# KiCad board distribution.kicad_pcb
title: LGP-21 Mini - Distribution; date: 2026-06-28; rev: A; company: © 2026 Sam Hanes, licensed CERN-OHL-W v2; note: https://github.com/Elemecca/lgp21-mini
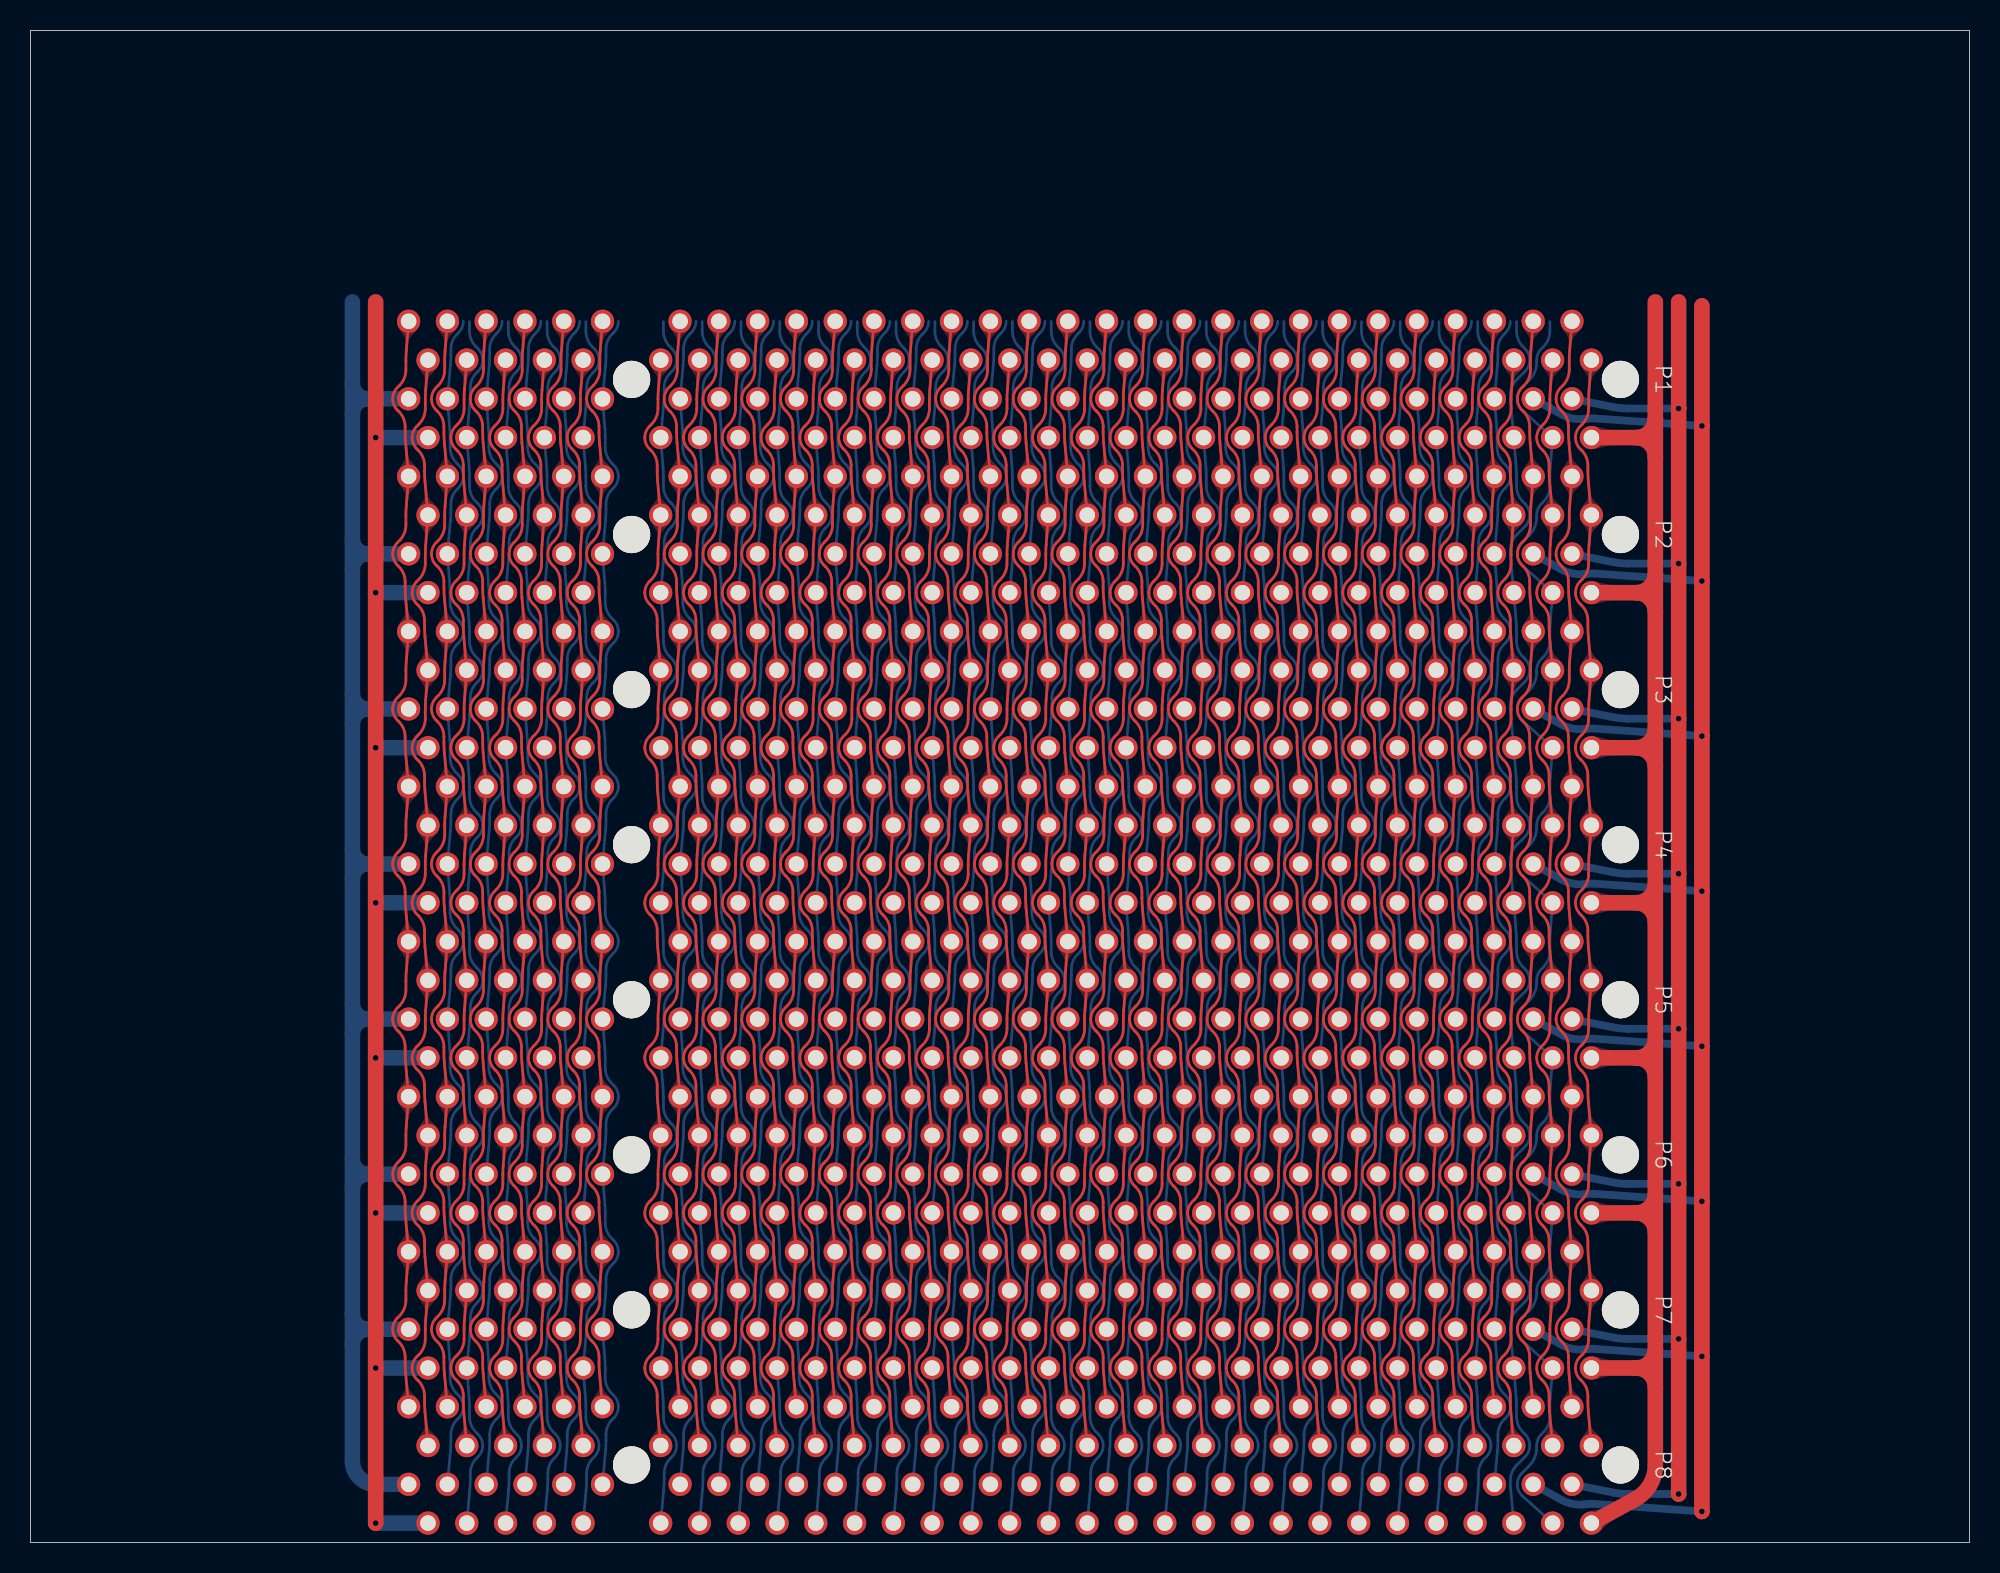
[diagram p0: board, top side]
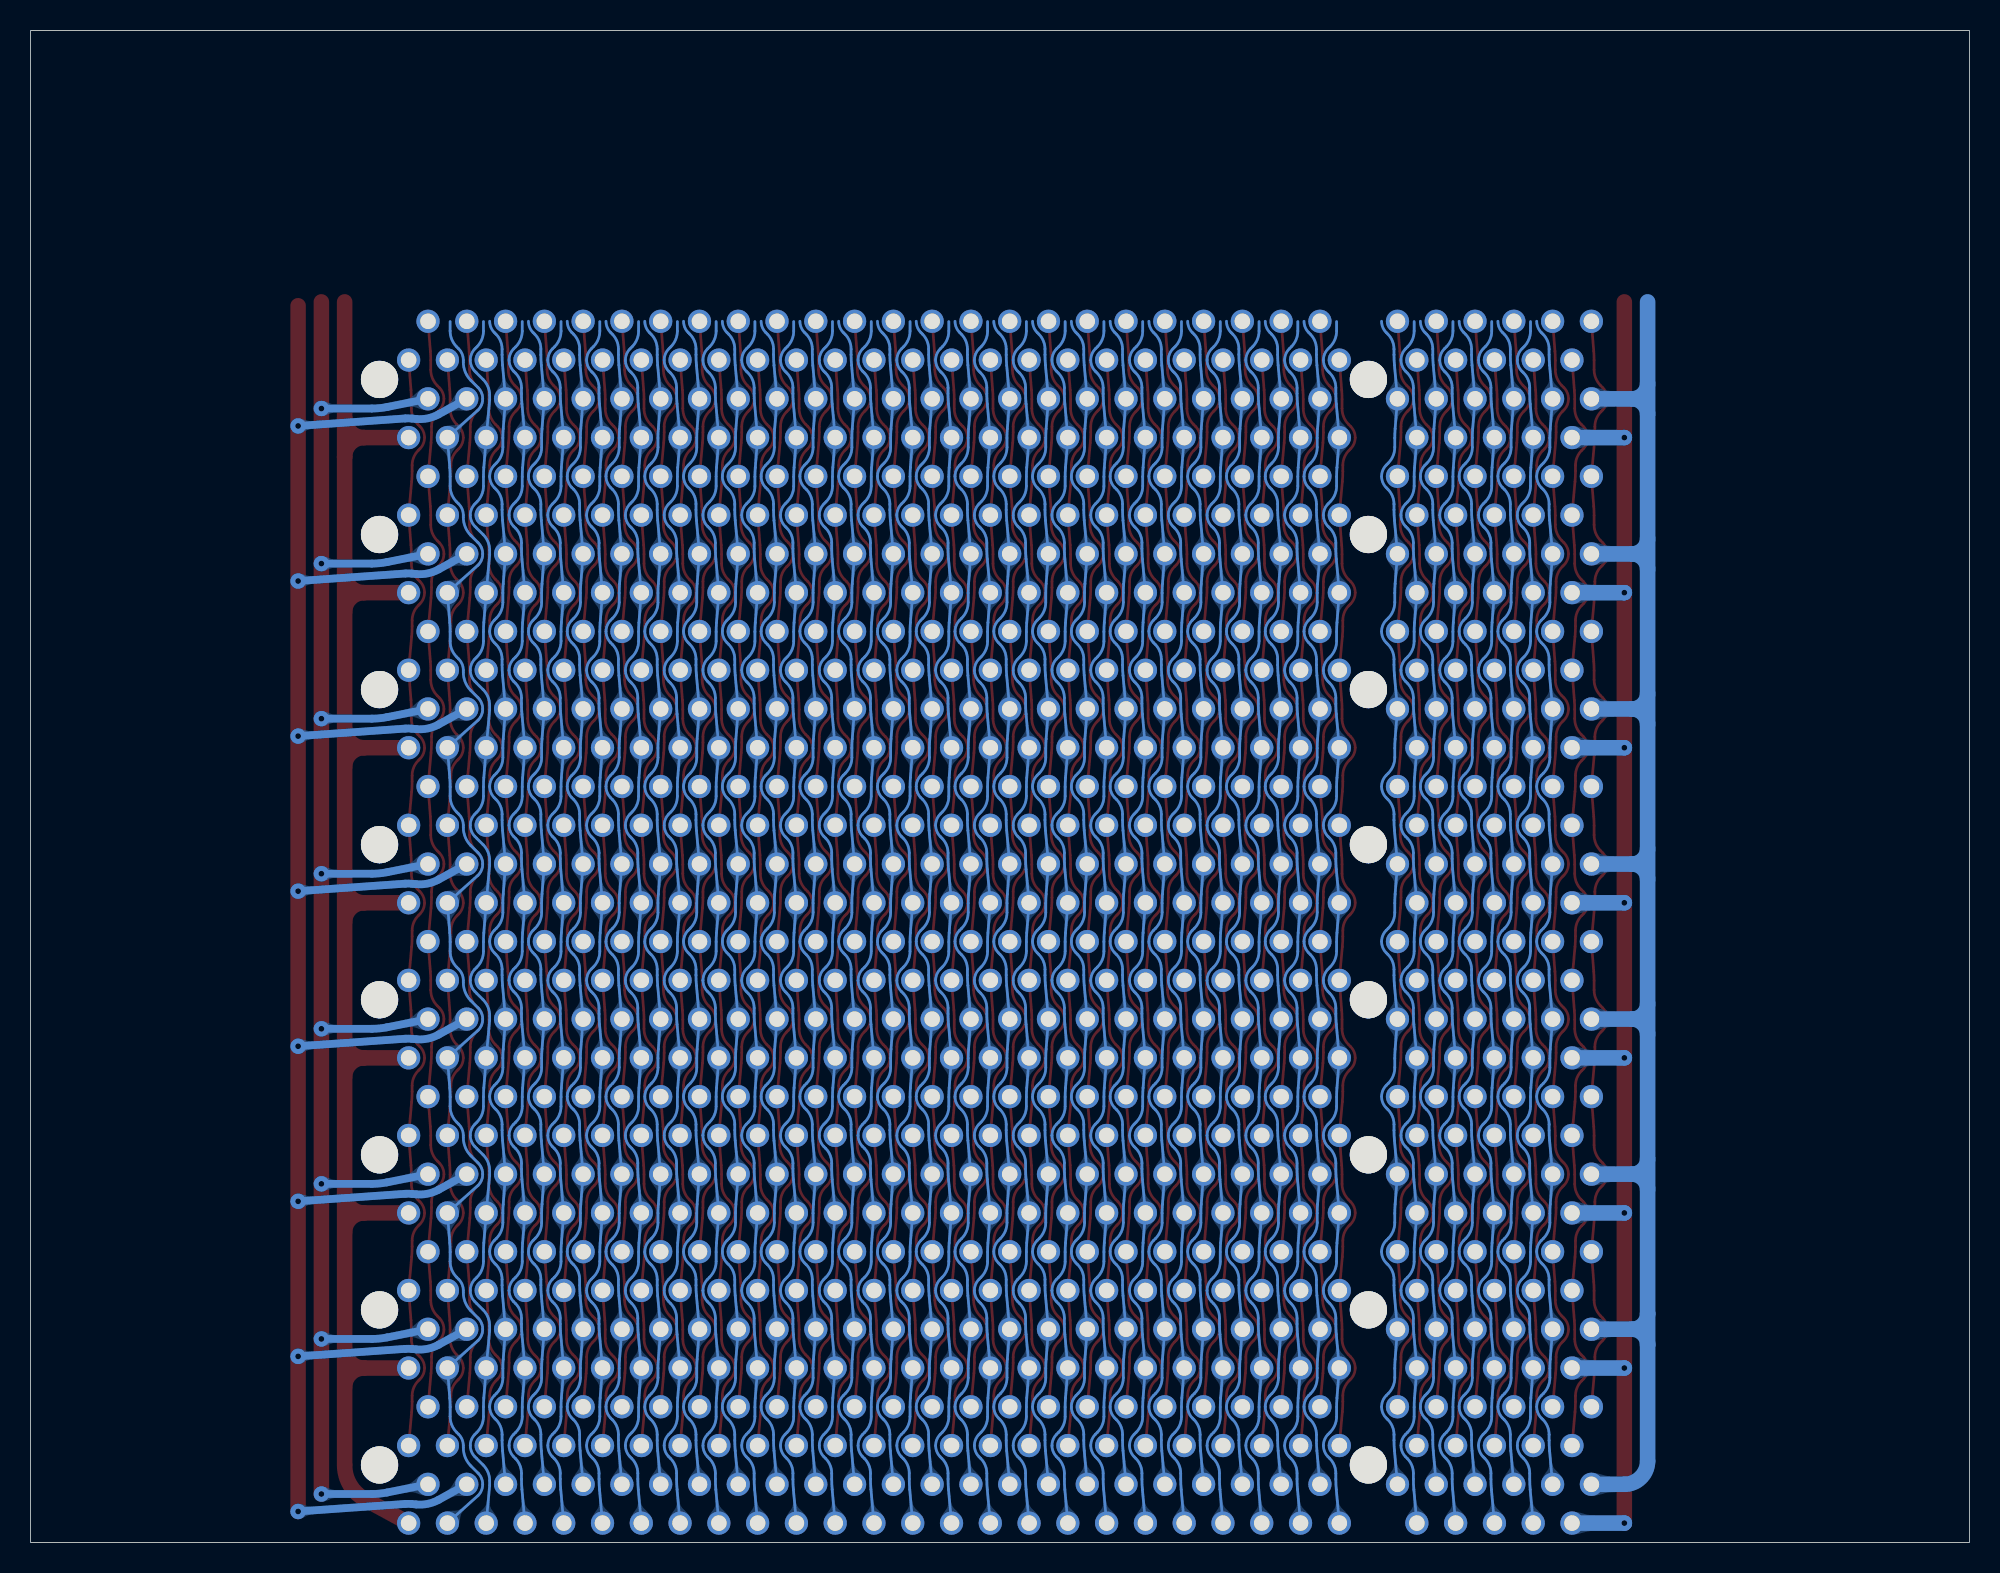
[diagram p1: board, bottom side, seen from below]

Outline 127 x 99.06 mm; copper layers: Top, Bottom. Coordinates in mm from the lower left corner of the outline.
Outline path: rectangle 0,99.06 127,0
Stack: Top 0.035mm / dielectric 1.51mm FR4 er 4.5 / Bottom 0.035mm

## Placement (name value [footprint] x y rotation side)
P1  EH06003-DAW  [Socket_PCI_5V_32bit]  63.5 76.2 180 top
P2  EH06003-DAW  [Socket_PCI_5V_32bit]  63.5 66.04 180 top
P3  EH06003-DAW  [Socket_PCI_5V_32bit]  63.5 55.88 180 top
P4  EH06003-DAW  [Socket_PCI_5V_32bit]  63.5 45.72 180 top
P5  EH06003-DAW  [Socket_PCI_5V_32bit]  63.5 35.56 180 top
P6  EH06003-DAW  [Socket_PCI_5V_32bit]  63.5 25.4 180 top
P7  EH06003-DAW  [Socket_PCI_5V_32bit]  63.5 15.24 180 top
P8  EH06003-DAW  [Socket_PCI_5V_32bit]  63.5 5.08 180 top

## Library data of the parts
P1-P8 = -: Description: "Generic connector, double row, 02x60, row letter first pin numbering scheme (pin number consists of a letter for the row and a number for the pin index in this row. a1, ..., aN; b1, ..., bN), script generated"; ki_fp_filters: Connector*:*_2x??_*

## Footprints (pads in the part's own frame, mm; a bottom-side part is the same pattern mirrored in y, then rotated)
Socket_PCI_5V_32bit
  round 2.438 hole 2.438 unplated: (-40.64,0) (24.13,0)
  round 1.524 hole 1.016: A1(-38.735,3.81) A2(-37.465,1.27) A3(-36.195,3.81) A4(-34.925,1.27) A5(-33.655,3.81) A6(-32.385,1.27) A7(-31.115,3.81) A8(-29.845,1.27) A9(-28.575,3.81) A10(-27.305,1.27) A11(-26.035,3.81) A12(-24.765,1.27) A13(-23.495,3.81) A14(-22.225,1.27) A15(-20.955,3.81) A16(-19.685,1.27) A17(-18.415,3.81) A18(-17.145,1.27) A19(-15.875,3.81) A20(-14.605,1.27) A21(-13.335,3.81) A22(-12.065,1.27) A23(-10.795,3.81) A24(-9.525,1.27) A25(-8.255,3.81) A26(-6.985,1.27) A27(-5.715,3.81) A28(-4.445,1.27) A29(-3.175,3.81) A30(-1.905,1.27) A31(-0.635,3.81) A32(0.635,1.27) A33(1.905,3.81) A34(3.175,1.27) A35(4.445,3.81) A36(5.715,1.27) A37(6.985,3.81) A38(8.255,1.27) A39(9.525,3.81) A40(10.795,1.27) A41(12.065,3.81) A42(13.335,1.27) A43(14.605,3.81) A44(15.875,1.27) A45(17.145,3.81) A46(18.415,1.27) A47(19.685,3.81) A48(20.955,1.27) A49(22.225,3.81) A52(26.035,1.27) A53(27.305,3.81) A54(28.575,1.27) A55(29.845,3.81) A56(31.115,1.27) A57(32.385,3.81) A58(33.655,1.27) A59(34.925,3.81) A60(36.195,1.27) A61(37.465,3.81) A62(38.735,1.27) B1(-38.735,-1.27) B2(-37.465,-3.81) B3(-36.195,-1.27) B4(-34.925,-3.81) B5(-33.655,-1.27) B6(-32.385,-3.81) B7(-31.115,-1.27) B8(-29.845,-3.81) B9(-28.575,-1.27) B10(-27.305,-3.81) B11(-26.035,-1.27) B12(-24.765,-3.81) B13(-23.495,-1.27) B14(-22.225,-3.81) B15(-20.955,-1.27) B16(-19.685,-3.81) B17(-18.415,-1.27) B18(-17.145,-3.81) B19(-15.875,-1.27) B20(-14.605,-3.81) B21(-13.335,-1.27) B22(-12.065,-3.81) B23(-10.795,-1.27) B24(-9.525,-3.81) B25(-8.255,-1.27) B26(-6.985,-3.81) B27(-5.715,-1.27) B28(-4.445,-3.81) B29(-3.175,-1.27) B30(-1.905,-3.81) B31(-0.635,-1.27) B32(0.635,-3.81) B33(1.905,-1.27) B34(3.175,-3.81) B35(4.445,-1.27) B36(5.715,-3.81) B37(6.985,-1.27) B38(8.255,-3.81) B39(9.525,-1.27) B40(10.795,-3.81) B41(12.065,-1.27) B42(13.335,-3.81) B43(14.605,-1.27) B44(15.875,-3.81) B45(17.145,-1.27) B46(18.415,-3.81) B47(19.685,-1.27) B48(20.955,-3.81) B49(22.225,-1.27) B52(26.035,-3.81) B53(27.305,-1.27) B54(28.575,-3.81) B55(29.845,-1.27) B56(31.115,-3.81) B57(32.385,-1.27) B58(33.655,-3.81) B59(34.925,-1.27) B60(36.195,-3.81) B61(37.465,-1.27) B62(38.735,-3.81)

## Nets
+15V: P1.A2 P2.A2 P3.A2 P4.A2 P5.A2 P6.A2 P7.A2 P8.A2
-15V: P1.A4 P2.A4 P3.A4 P4.A4 P5.A4 P6.A4 P7.A4 P8.A4
-20V: P1.A1 P2.A1 P3.A1 P4.A1 P5.A1 P6.A1 P7.A1 P8.A1
-20V_{D}: P1.A61 P2.A61 P3.A61 P4.A61 P5.A61 P6.A61 P7.A61 P8.A61
GND: P1.A62 P2.A62 P3.A62 P4.A62 P5.A62 P6.A62 P7.A62 P8.A62
A: P1.B16 P2.B16 P3.B16 P4.B16 P5.B16 P6.B16 P7.B16 P8.B16
A*: P1.B14 P2.B14 P3.B14 P4.B14 P5.B14 P6.B14 P7.B14 P8.B14
Aa: P1.B17 P2.B17 P3.B17 P4.B17 P5.B17 P6.B17 P7.B17 P8.B17
Aw': P1.B12 P2.B12 P3.B12 P4.B12 P5.B12 P6.B12 P7.B12 P8.B12
be: P1.B21 P2.B21 P3.B21 P4.B21 P5.B21 P6.B21 P7.B21 P8.B21
Bl: P1.B39 P2.B39 P3.B39 P4.B39 P5.B39 P6.B39 P7.B39 P8.B39
bq: P1.B33 P2.B33 P3.B33 P4.B33 P5.B33 P6.B33 P7.B33 P8.B33
brc: P1.B23 P2.B23 P3.B23 P4.B23 P5.B23 P6.B23 P7.B23 P8.B23
bs: P1.B30 P2.B30 P3.B30 P4.B30 P5.B30 P6.B30 P7.B30 P8.B30
C: P1.B38 P2.B38 P3.B38 P4.B38 P5.B38 P6.B38 P7.B38 P8.B38
CP: P1.B27 P2.B27 P3.B27 P4.B27 P5.B27 P6.B27 P7.B27 P8.B27
Cw': P1.B56 P2.B56 P3.B56 P4.B56 P5.B56 P6.B56 P7.B56 P8.B56
F: P1.B25 P2.B25 P3.B25 P4.B25 P5.B25 P6.B25 P7.B25 P8.B25
Fa: P1.B3 P2.B3 P3.B3 P4.B3 P5.B3 P6.B3 P7.B3 P8.B3
Faf: P1.B40 P2.B40 P3.B40 P4.B40 P5.B40 P6.B40 P7.B40 P8.B40
Fb: P1.B5 P2.B5 P3.B5 P4.B5 P5.B5 P6.B5 P7.B5 P8.B5
G: P1.A6 P2.A6 P3.A6 P4.A6 P5.A6 P6.A6 P7.A6 P8.A6
Ga: P1.B7 P2.B7 P3.B7 P4.B7 P5.B7 P6.B7 P7.B7 P8.B7
Gb: P1.B10 P2.B10 P3.B10 P4.B10 P5.B10 P6.B10 P7.B10 P8.B10
H: P1.B2 P2.B2 P3.B2 P4.B2 P5.B2 P6.B2 P7.B2 P8.B2
ia: P1.A28 P2.A28 P3.A28 P4.A28 P5.A28 P6.A28 P7.A28 P8.A28
K: P1.B34 P2.B34 P3.B34 P4.B34 P5.B34 P6.B34 P7.B34 P8.B34
K': P1.B36 P2.B36 P3.B36 P4.B36 P5.B36 P6.B36 P7.B36 P8.B36
Kc: P1.B59 P2.B59 P3.B59 P4.B59 P5.B59 P6.B59 P7.B59 P8.B59
O1: P1.A44 P2.A44 P3.A44 P4.A44 P5.A44 P6.A44 P7.A44 P8.A44
P1: P1.A5 P2.A5 P3.A5 P4.A5 P5.A5 P6.A5 P7.A5 P8.A5
P1b: P1.B1 P2.B1 P3.B1 P4.B1 P5.B1 P6.B1 P7.B1 P8.B1
P2: P1.B29 P2.B29 P3.B29 P4.B29 P5.B29 P6.B29 P7.B29 P8.B29
P3: P1.B32 P2.B32 P3.B32 P4.B32 P5.B32 P6.B32 P7.B32 P8.B32
P4: P1.B31 P2.B31 P3.B31 P4.B31 P5.B31 P6.B31 P7.B31 P8.B31
P5: P1.B19 P2.B19 P3.B19 P4.B19 P5.B19 P6.B19 P7.B19 P8.B19
P5a: P1.A21 P2.A21 P3.A21 P4.A21 P5.A21 P6.A21 P7.A21 P8.A21
P6: P1.B28 P2.B28 P3.B28 P4.B28 P5.B28 P6.B28 P7.B28 P8.B28
P6a: P1.A25 P2.A25 P3.A25 P4.A25 P5.A25 P6.A25 P7.A25 P8.A25
Q1: P1.A57 P2.A57 P3.A57 P4.A57 P5.A57 P6.A57 P7.A57 P8.A57
Q1b: P1.A38 P2.A38 P3.A38 P4.A38 P5.A38 P6.A38 P7.A38 P8.A38
Q2: P1.B44 P2.B44 P3.B44 P4.B44 P5.B44 P6.B44 P7.B44 P8.B44
Q2a: P1.A40 P2.A40 P3.A40 P4.A40 P5.A40 P6.A40 P7.A40 P8.A40
Q3: P1.A58 P2.A58 P3.A58 P4.A58 P5.A58 P6.A58 P7.A58 P8.A58
Q4: P1.B43 P2.B43 P3.B43 P4.B43 P5.B43 P6.B43 P7.B43 P8.B43
R: P1.B42 P2.B42 P3.B42 P4.B42 P5.B42 P6.B42 P7.B42 P8.B42
r1: P1.A8 P2.A8 P3.A8 P4.A8 P5.A8 P6.A8 P7.A8 P8.A8
Rw': P1.B55 P2.B55 P3.B55 P4.B55 P5.B55 P6.B55 P7.B55 P8.B55
S1: P1.B53 P2.B53 P3.B53 P4.B53 P5.B53 P6.B53 P7.B53 P8.B53
S2: P1.A27 P2.A27 P3.A27 P4.A27 P5.A27 P6.A27 P7.A27 P8.A27
S3: P1.A30 P2.A30 P3.A30 P4.A30 P5.A30 P6.A30 P7.A30 P8.A30
T3: P1.A29 P2.A29 P3.A29 P4.A29 P5.A29 P6.A29 P7.A29 P8.A29
Tc: P1.A36 P2.A36 P3.A36 P4.A36 P5.A36 P6.A36 P7.A36 P8.A36
V: P1.A19 P2.A19 P3.A19 P4.A19 P5.A19 P6.A19 P7.A19 P8.A19
Vw': P1.B54 P2.B54 P3.B54 P4.B54 P5.B54 P6.B54 P7.B54 P8.B54
W: P1.A56 P2.A56 P3.A56 P4.A56 P5.A56 P6.A56 P7.A56 P8.A56
x1: P1.B58 P2.B58 P3.B58 P4.B58 P5.B58 P6.B58 P7.B58 P8.B58
x2: P1.B52 P2.B52 P3.B52 P4.B52 P5.B52 P6.B52 P7.B52 P8.B52
x3: P1.A37 P2.A37 P3.A37 P4.A37 P5.A37 P6.A37 P7.A37 P8.A37
~{A*}: P1.B15 P2.B15 P3.B15 P4.B15 P5.B15 P6.B15 P7.B15 P8.B15
~{Ac1}: P1.B24 P2.B24 P3.B24 P4.B24 P5.B24 P6.B24 P7.B24 P8.B24
~{Ac2}: P1.A18 P2.A18 P3.A18 P4.A18 P5.A18 P6.A18 P7.A18 P8.A18
~{A}: P1.B13 P2.B13 P3.B13 P4.B13 P5.B13 P6.B13 P7.B13 P8.B13
~{be}: P1.B22 P2.B22 P3.B22 P4.B22 P5.B22 P6.B22 P7.B22 P8.B22
~{bq}: P1.A53 P2.A53 P3.A53 P4.A53 P5.A53 P6.A53 P7.A53 P8.A53
~{brc}: P1.B20 P2.B20 P3.B20 P4.B20 P5.B20 P6.B20 P7.B20 P8.B20
~{bs}: P1.B8 P2.B8 P3.B8 P4.B8 P5.B8 P6.B8 P7.B8 P8.B8
~{C}: P1.B37 P2.B37 P3.B37 P4.B37 P5.B37 P6.B37 P7.B37 P8.B37
~{Faf}: P1.B48 P2.B48 P3.B48 P4.B48 P5.B48 P6.B48 P7.B48 P8.B48
~{Fc}: P1.B4 P2.B4 P3.B4 P4.B4 P5.B4 P6.B4 P7.B4 P8.B4
~{Fd}: P1.B6 P2.B6 P3.B6 P4.B6 P5.B6 P6.B6 P7.B6 P8.B6
~{F}: P1.B26 P2.B26 P3.B26 P4.B26 P5.B26 P6.B26 P7.B26 P8.B26
~{Gc}: P1.B9 P2.B9 P3.B9 P4.B9 P5.B9 P6.B9 P7.B9 P8.B9
~{Gd}: P1.B11 P2.B11 P3.B11 P4.B11 P5.B11 P6.B11 P7.B11 P8.B11
~{G}: P1.A7 P2.A7 P3.A7 P4.A7 P5.A7 P6.A7 P7.A7 P8.A7
~{H'}: P1.B46 P2.B46 P3.B46 P4.B46 P5.B46 P6.B46 P7.B46 P8.B46
~{H}: P1.A47 P2.A47 P3.A47 P4.A47 P5.A47 P6.A47 P7.A47 P8.A47
~{ic}: P1.A33 P2.A33 P3.A33 P4.A33 P5.A33 P6.A33 P7.A33 P8.A33
~{K}: P1.B35 P2.B35 P3.B35 P4.B35 P5.B35 P6.B35 P7.B35 P8.B35
~{L}: P1.B57 P2.B57 P3.B57 P4.B57 P5.B57 P6.B57 P7.B57 P8.B57
~{O1}: P1.A41 P2.A41 P3.A41 P4.A41 P5.A41 P6.A41 P7.A41 P8.A41
~{P1c}: P1.A9 P2.A9 P3.A9 P4.A9 P5.A9 P6.A9 P7.A9 P8.A9
~{P1d}: P1.A11 P2.A11 P3.A11 P4.A11 P5.A11 P6.A11 P7.A11 P8.A11
~{P1}: P1.A3 P2.A3 P3.A3 P4.A3 P5.A3 P6.A3 P7.A3 P8.A3
~{P2c}: P1.A12 P2.A12 P3.A12 P4.A12 P5.A12 P6.A12 P7.A12 P8.A12
~{P2d}: P1.A13 P2.A13 P3.A13 P4.A13 P5.A13 P6.A13 P7.A13 P8.A13
~{P2}: P1.A48 P2.A48 P3.A48 P4.A48 P5.A48 P6.A48 P7.A48 P8.A48
~{P3c}: P1.A14 P2.A14 P3.A14 P4.A14 P5.A14 P6.A14 P7.A14 P8.A14
~{P3d}: P1.A15 P2.A15 P3.A15 P4.A15 P5.A15 P6.A15 P7.A15 P8.A15
~{P3}: P1.A49 P2.A49 P3.A49 P4.A49 P5.A49 P6.A49 P7.A49 P8.A49
~{P4c}: P1.A16 P2.A16 P3.A16 P4.A16 P5.A16 P6.A16 P7.A16 P8.A16
~{P4d}: P1.A17 P2.A17 P3.A17 P4.A17 P5.A17 P6.A17 P7.A17 P8.A17
~{P4}: P1.A52 P2.A52 P3.A52 P4.A52 P5.A52 P6.A52 P7.A52 P8.A52
~{P5c}: P1.A20 P2.A20 P3.A20 P4.A20 P5.A20 P6.A20 P7.A20 P8.A20
~{P5d}: P1.A23 P2.A23 P3.A23 P4.A23 P5.A23 P6.A23 P7.A23 P8.A23
~{P5}: P1.A55 P2.A55 P3.A55 P4.A55 P5.A55 P6.A55 P7.A55 P8.A55
~{P6c}: P1.A24 P2.A24 P3.A24 P4.A24 P5.A24 P6.A24 P7.A24 P8.A24
~{P6d}: P1.A26 P2.A26 P3.A26 P4.A26 P5.A26 P6.A26 P7.A26 P8.A26
~{P6}: P1.B45 P2.B45 P3.B45 P4.B45 P5.B45 P6.B45 P7.B45 P8.B45
~{Q1d}: P1.A39 P2.A39 P3.A39 P4.A39 P5.A39 P6.A39 P7.A39 P8.A39
~{Q1}: P1.B61 P2.B61 P3.B61 P4.B61 P5.B61 P6.B61 P7.B61 P8.B61
~{Q2c}: P1.A43 P2.A43 P3.A43 P4.A43 P5.A43 P6.A43 P7.A43 P8.A43
~{Q2d}: P1.A45 P2.A45 P3.A45 P4.A45 P5.A45 P6.A45 P7.A45 P8.A45
~{Q2}: P1.B60 P2.B60 P3.B60 P4.B60 P5.B60 P6.B60 P7.B60 P8.B60
~{Q3}: P1.A59 P2.A59 P3.A59 P4.A59 P5.A59 P6.A59 P7.A59 P8.A59
~{Q4}: P1.B62 P2.B62 P3.B62 P4.B62 P5.B62 P6.B62 P7.B62 P8.B62
~{r1}: P1.A10 P2.A10 P3.A10 P4.A10 P5.A10 P6.A10 P7.A10 P8.A10
~{R}: P1.B41 P2.B41 P3.B41 P4.B41 P5.B41 P6.B41 P7.B41 P8.B41
~{S1}: P1.A46 P2.A46 P3.A46 P4.A46 P5.A46 P6.A46 P7.A46 P8.A46
~{S2}: P1.A54 P2.A54 P3.A54 P4.A54 P5.A54 P6.A54 P7.A54 P8.A54
~{S3}: P1.A42 P2.A42 P3.A42 P4.A42 P5.A42 P6.A42 P7.A42 P8.A42
~{T3}: P1.B18 P2.B18 P3.B18 P4.B18 P5.B18 P6.B18 P7.B18 P8.B18
~{Tb1}: P1.A32 P2.A32 P3.A32 P4.A32 P5.A32 P6.A32 P7.A32 P8.A32
~{Tb2}: P1.A31 P2.A31 P3.A31 P4.A31 P5.A31 P6.A31 P7.A31 P8.A31
~{Tb3}: P1.A34 P2.A34 P3.A34 P4.A34 P5.A34 P6.A34 P7.A34 P8.A34
~{Tb4}: P1.A35 P2.A35 P3.A35 P4.A35 P5.A35 P6.A35 P7.A35 P8.A35
~{To}: P1.B49 P2.B49 P3.B49 P4.B49 P5.B49 P6.B49 P7.B49 P8.B49
~{V}: P1.A22 P2.A22 P3.A22 P4.A22 P5.A22 P6.A22 P7.A22 P8.A22
~{W}: P1.A60 P2.A60 P3.A60 P4.A60 P5.A60 P6.A60 P7.A60 P8.A60
α9: P1.B47 P2.B47 P3.B47 P4.B47 P5.B47 P6.B47 P7.B47 P8.B47

## Via types
v1: diameter 1.016, hole 0.381, Top to Bottom, 24 vias

## Routing (per net, layer and track width the routed paths; a pad name or vN(x,y) marks a point on that pad's centre or on a via; arc(x,y) is an arc through that point)
+15V: length 134.5
  Top w1.016: v1(107.95,3.18) v1(107.95,74.3) 107.95,81.28
  Bottom w0.508: v1(107.95,53.98) 104.64,53.98 arc(104.14,54) 103.65,54.07 P3.A2 ; P1.A2 103.65,74.39 arc(104.14,74.32) 104.64,74.3 v1(107.95,74.3) ; P7.A2 103.65,13.43 arc(104.14,13.36) 104.64,13.34 v1(107.95,13.34) ; P4.A2 103.65,43.91 arc(104.14,43.84) 104.64,43.82 v1(107.95,43.82) ; v1(107.95,3.18) 104.64,3.18 arc(104.14,3.2) 103.65,3.27 P8.A2 ; P5.A2 103.65,33.75 arc(104.14,33.68) 104.64,33.66 v1(107.95,33.66) ; P6.A2 103.65,23.59 arc(104.14,23.52) 104.64,23.5 v1(107.95,23.5) ; v1(107.95,64.14) 104.64,64.14 arc(104.14,64.16) 103.65,64.23 P2.A2
-15V: length 170.1
  Top w1.016: v1(109.47,2.03) v1(109.47,73.15) 109.47,81.03
  Bottom w0.508: P1.A4 100.27,73.91 arc(100.99,73.65) 101.75,73.61 102.02,73.64 arc(102.24,73.65) 102.45,73.64 v1(109.47,73.15) ; v1(109.47,32.51) 102.45,33 arc(102.24,33.01) 102.02,33 101.75,32.97 arc(100.99,33.01) 100.27,33.27 P5.A4 ; v1(109.47,62.99) 102.45,63.48 arc(102.24,63.49) 102.02,63.48 101.75,63.45 arc(100.99,63.49) 100.27,63.75 P2.A4 ; v1(109.47,2.03) 102.45,2.52 arc(102.24,2.53) 102.02,2.52 101.75,2.49 arc(100.99,2.53) 100.27,2.79 P8.A4 ; P6.A4 100.27,23.11 arc(100.99,22.85) 101.75,22.81 102.02,22.84 arc(102.24,22.85) 102.45,22.84 v1(109.47,22.35) ; P4.A4 100.27,43.43 arc(100.99,43.17) 101.75,43.13 102.02,43.16 arc(102.24,43.17) 102.45,43.16 v1(109.47,42.67) ; P7.A4 100.27,12.95 arc(100.99,12.69) 101.75,12.65 102.02,12.68 arc(102.24,12.69) 102.45,12.68 v1(109.47,12.19) ; v1(109.47,52.83) 102.45,53.32 arc(102.24,53.33) 102.02,53.32 101.75,53.29 arc(100.99,53.33) 100.27,53.59 P3.A4
-20V: length 130.6
  Top w1.016: 106.43,71.12 106.43,73.66 ; 106.43,71.12 106.43,5.06 arc(106.07,3.77) 105.1,2.83 P8.A1 ; 106.43,71.12 arc(106.05,72.02) 105.16,72.39 ; 106.43,73.66 106.43,81.28 ; 106.43,73.66 arc(106.05,72.76) 105.16,72.39 ; P5.A1 105.16,31.75 ; 105.16,31.75 arc(106.05,32.12) 106.43,33.02 ; 105.16,31.75 arc(106.05,31.38) 106.43,30.48 ; P4.A1 105.16,41.91 ; 105.16,41.91 arc(106.05,42.28) 106.43,43.18 ; 105.16,41.91 arc(106.05,41.54) 106.43,40.64 ; P1.A1 105.16,72.39 ; P6.A1 105.16,21.59 ; 105.16,21.59 arc(106.05,21.96) 106.43,22.86 ; 105.16,21.59 arc(106.05,21.22) 106.43,20.32 ; P7.A1 105.16,11.43 ; 105.16,11.43 arc(106.05,11.06) 106.43,10.16 ; 105.16,11.43 arc(106.05,11.8) 106.43,12.7 ; P3.A1 105.16,52.07 ; 105.16,52.07 arc(106.05,51.7) 106.43,50.8 ; 105.16,52.07 arc(106.05,52.44) 106.43,53.34 ; P2.A1 105.16,62.23 ; 105.16,62.23 arc(106.05,61.86) 106.43,60.96 ; 105.16,62.23 arc(106.05,62.6) 106.43,63.5
-20V_{D}: length 107.4
  Top w1.016: v1(22.61,1.27) v1(22.61,11.43) v1(22.61,21.59) v1(22.61,31.75) v1(22.61,41.91) v1(22.61,52.07) v1(22.61,62.23) v1(22.61,72.39) 22.61,81.28
  Bottom w1.016: 26.03,41.91 v1(22.61,41.91) ; 26.03,52.07 v1(22.61,52.07) ; 26.03,31.75 v1(22.61,31.75) ; 26.03,21.59 v1(22.61,21.59) ; 26.03,72.39 v1(22.61,72.39) ; 26.03,1.27 v1(22.61,1.27) ; 26.03,11.43 v1(22.61,11.43) ; 26.03,62.23 v1(22.61,62.23)
GND: length 121.5
  Bottom w1.016: P2.A62 22.1,64.77 ; 22.1,64.77 arc(21.38,64.47) 21.08,63.75 ; 22.1,64.77 arc(21.38,65.07) 21.08,65.79 ; P1.A62 22.1,74.93 ; 22.1,74.93 arc(21.38,74.63) 21.08,73.91 ; 22.1,74.93 arc(21.38,75.23) 21.08,75.95 ; P8.A62 22.61,3.81 arc(21.53,4.26) 21.08,5.33 21.08,12.95 ; P7.A62 22.1,13.97 ; 22.1,13.97 arc(21.38,14.27) 21.08,14.99 ; 22.1,13.97 arc(21.38,13.67) 21.08,12.95 ; P6.A62 22.1,24.13 ; 22.1,24.13 arc(21.38,24.43) 21.08,25.15 ; 22.1,24.13 arc(21.38,23.83) 21.08,23.11 ; 21.08,14.99 21.08,81.28 ; 21.08,14.99 21.08,12.95 ; P5.A62 22.1,34.29 ; 22.1,34.29 arc(21.38,33.99) 21.08,33.27 ; 22.1,34.29 arc(21.38,34.59) 21.08,35.31 ; P3.A62 22.1,54.61 ; 22.1,54.61 arc(21.38,54.91) 21.08,55.63 ; 22.1,54.61 arc(21.38,54.31) 21.08,53.59 ; P4.A62 22.1,44.45 ; 22.1,44.45 arc(21.38,44.75) 21.08,45.47 ; 22.1,44.45 arc(21.38,44.15) 21.08,43.43
A: length 74.6
  Top w0.178: P8.B16 82.99,11.09 arc(82.96,11.43) 82.96,11.77 82.96,12.15 arc(82.85,12.68) 82.55,13.13 82.45,13.23 arc(82.22,13.57) 82.14,13.97 arc(82.22,14.37) 82.45,14.71 82.58,14.83 arc(82.89,15.31) 83.01,15.88 83.01,16.49 arc(83.01,16.79) 83.03,17.09 P7.B16 82.99,21.25 arc(82.96,21.59) 82.96,21.93 82.96,22.31 arc(82.85,22.84) 82.55,23.29 82.45,23.39 arc(82.22,23.73) 82.14,24.13 arc(82.22,24.53) 82.45,24.87 82.58,24.99 arc(82.89,25.47) 83.01,26.04 83.01,26.65 arc(83.01,26.95) 83.03,27.25 P6.B16 82.99,31.41 arc(82.96,31.75) 82.96,32.09 82.96,32.47 arc(82.85,33) 82.55,33.45 82.45,33.55 arc(82.22,33.89) 82.14,34.29 arc(82.22,34.69) 82.45,35.03 82.58,35.15 arc(82.89,35.63) 83.01,36.2 83.01,36.81 arc(83.01,37.11) 83.03,37.41 P5.B16 82.99,41.57 arc(82.96,41.91) 82.96,42.25 82.96,42.63 arc(82.85,43.16) 82.55,43.61 82.45,43.71 arc(82.22,44.05) 82.14,44.45 arc(82.22,44.85) 82.45,45.19 82.58,45.31 arc(82.89,45.79) 83.01,46.36 83.01,46.97 arc(83.01,47.27) 83.03,47.57 P4.B16 82.99,51.73 arc(82.96,52.07) 82.96,52.41 82.96,52.79 arc(82.85,53.32) 82.55,53.77 82.45,53.87 arc(82.22,54.21) 82.14,54.61 arc(82.22,55.01) 82.45,55.35 82.58,55.47 arc(82.89,55.95) 83.01,56.52 83.01,57.13 arc(83.01,57.43) 83.03,57.73 P3.B16 82.99,61.89 arc(82.96,62.23) 82.96,62.57 82.96,62.95 arc(82.85,63.48) 82.55,63.93 82.45,64.03 arc(82.22,64.37) 82.14,64.77 arc(82.22,65.17) 82.45,65.51 82.58,65.63 arc(82.89,66.11) 83.01,66.68 83.01,67.29 arc(83.01,67.59) 83.03,67.89 P2.B16 82.99,72.05 arc(82.96,72.39) 82.96,72.73 82.96,73.11 arc(82.85,73.64) 82.55,74.09 82.45,74.19 arc(82.22,74.53) 82.14,74.93 arc(82.22,75.33) 82.45,75.67 82.58,75.79 arc(82.89,76.27) 83.01,76.84 83.01,77.45 arc(83.01,77.75) 83.03,78.05 P1.B16
A*: length 74.6
  Top w0.178: P1.B14 85.57,78.05 arc(85.55,77.75) 85.55,77.45 85.55,76.84 arc(85.43,76.27) 85.12,75.79 84.99,75.67 arc(84.76,75.33) 84.68,74.93 arc(84.76,74.53) 84.99,74.19 85.09,74.09 arc(85.39,73.64) 85.5,73.11 85.5,72.73 arc(85.5,72.39) 85.53,72.05 P2.B14 85.57,67.89 arc(85.55,67.59) 85.55,67.29 85.55,66.68 arc(85.43,66.11) 85.12,65.63 84.99,65.51 arc(84.76,65.17) 84.68,64.77 arc(84.76,64.37) 84.99,64.03 85.09,63.93 arc(85.39,63.48) 85.5,62.95 85.5,62.57 arc(85.5,62.23) 85.53,61.89 P3.B14 85.57,57.73 arc(85.55,57.43) 85.55,57.13 85.55,56.52 arc(85.43,55.95) 85.12,55.47 84.99,55.35 arc(84.76,55.01) 84.68,54.61 arc(84.76,54.21) 84.99,53.87 85.09,53.77 arc(85.39,53.32) 85.5,52.79 85.5,52.41 arc(85.5,52.07) 85.53,51.73 P4.B14 85.57,47.57 arc(85.55,47.27) 85.55,46.97 85.55,46.36 arc(85.43,45.79) 85.12,45.31 84.99,45.19 arc(84.76,44.85) 84.68,44.45 arc(84.76,44.05) 84.99,43.71 85.09,43.61 arc(85.39,43.16) 85.5,42.63 85.5,42.25 arc(85.5,41.91) 85.53,41.57 P5.B14 85.57,37.41 arc(85.55,37.11) 85.55,36.81 85.55,36.2 arc(85.43,35.63) 85.12,35.15 84.99,35.03 arc(84.76,34.69) 84.68,34.29 arc(84.76,33.89) 84.99,33.55 85.09,33.45 arc(85.39,33) 85.5,32.47 85.5,32.09 arc(85.5,31.75) 85.53,31.41 P6.B14 85.57,27.25 arc(85.55,26.95) 85.55,26.65 85.55,26.04 arc(85.43,25.47) 85.12,24.99 84.99,24.87 arc(84.76,24.53) 84.68,24.13 arc(84.76,23.73) 84.99,23.39 85.09,23.29 arc(85.39,22.84) 85.5,22.31 85.5,21.93 arc(85.5,21.59) 85.53,21.25 P7.B14 85.57,17.09 arc(85.55,16.79) 85.55,16.49 85.55,15.88 arc(85.43,15.31) 85.12,14.83 84.99,14.71 arc(84.76,14.37) 84.68,13.97 arc(84.76,13.57) 84.99,13.23 85.09,13.13 arc(85.39,12.68) 85.5,12.15 85.5,11.77 arc(85.5,11.43) 85.53,11.09 P8.B14
Aa: length 74.6
  Top w0.178: 81.92,77.47 81.76,75.51 arc(81.74,75.21) 81.74,74.91 81.74,74.3 arc(81.62,73.73) 81.31,73.25 81.18,73.13 arc(80.95,72.79) 80.87,72.39 arc(80.95,71.99) 81.18,71.65 81.28,71.55 arc(81.58,71.1) 81.69,70.57 81.69,70.19 arc(81.69,69.85) 81.72,69.51 81.92,67.31 81.76,65.35 arc(81.74,65.05) 81.74,64.75 81.74,64.14 arc(81.62,63.57) 81.31,63.09 81.18,62.97 arc(80.95,62.63) 80.87,62.23 arc(80.95,61.83) 81.18,61.49 81.28,61.39 arc(81.58,60.94) 81.69,60.41 81.69,60.03 arc(81.69,59.69) 81.72,59.35 81.92,57.15 81.76,55.19 arc(81.74,54.89) 81.74,54.59 81.74,53.98 arc(81.62,53.41) 81.31,52.93 81.18,52.81 arc(80.95,52.47) 80.87,52.07 arc(80.95,51.67) 81.18,51.33 81.28,51.23 arc(81.58,50.78) 81.69,50.25 81.69,49.87 arc(81.69,49.53) 81.72,49.19 81.92,46.99 81.76,45.03 arc(81.74,44.73) 81.74,44.43 81.74,43.82 arc(81.62,43.25) 81.31,42.77 81.18,42.65 arc(80.95,42.31) 80.87,41.91 arc(80.95,41.51) 81.18,41.17 81.28,41.07 arc(81.58,40.62) 81.69,40.09 81.69,39.71 arc(81.69,39.37) 81.72,39.03 81.92,36.83 81.76,34.87 arc(81.74,34.57) 81.74,34.27 81.74,33.66 arc(81.62,33.09) 81.31,32.61 81.18,32.49 arc(80.95,32.15) 80.87,31.75 arc(80.95,31.35) 81.18,31.01 81.28,30.91 arc(81.58,30.46) 81.69,29.93 81.69,29.55 arc(81.69,29.21) 81.72,28.87 81.92,26.67 81.76,24.71 arc(81.74,24.41) 81.74,24.11 81.74,23.5 arc(81.62,22.93) 81.31,22.45 81.18,22.33 arc(80.95,21.99) 80.87,21.59 arc(80.95,21.19) 81.18,20.85 81.28,20.75 arc(81.58,20.3) 81.69,19.77 81.69,19.39 arc(81.69,19.05) 81.72,18.71 81.92,16.51 81.76,14.55 arc(81.74,14.25) 81.74,13.95 81.74,13.34 arc(81.62,12.77) 81.31,12.29 81.18,12.17 arc(80.95,11.83) 80.87,11.43 arc(80.95,11.03) 81.18,10.69 81.28,10.59 arc(81.58,10.14) 81.69,9.61 81.69,9.23 arc(81.69,8.89) 81.72,8.55 81.92,6.35